# KiCad board BigBoy.kicad_pcb (continued)
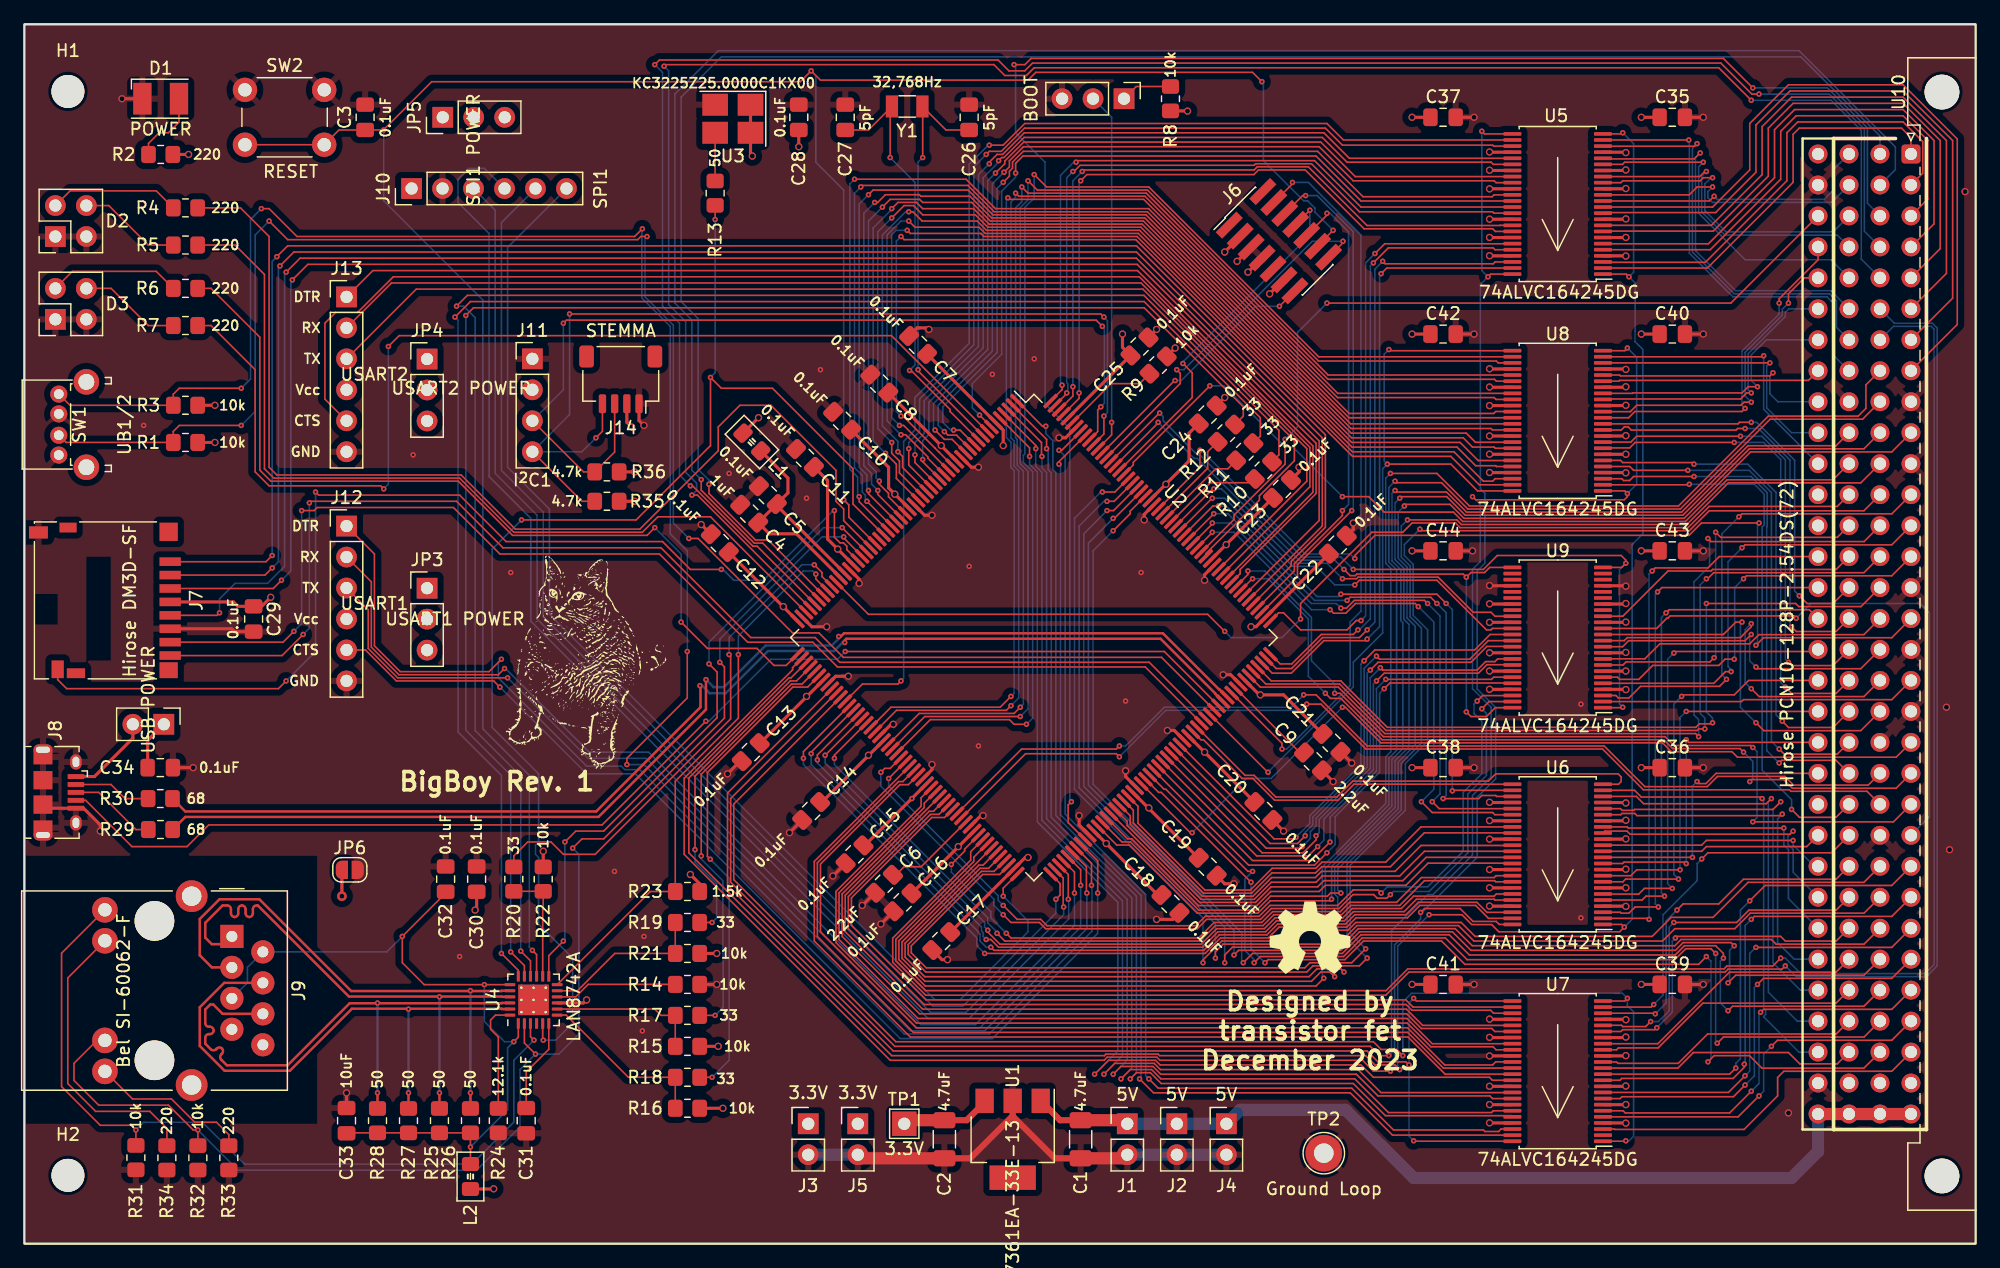
[diagram p0: board, top side]
## Routing (per net, layer and track width the routed paths; a pad name or vN(x,y) marks a point on that pad's centre or on a via; arc(x,y) is an arc through that point) (continued)
VA24: length 27.9
  Top w0.127: U10.d4 147.08,80.69 143.89,77.5 v2(143.89,77.14) ; U8.13 131.55,67.74 132.06,68.25 140.84,68.25 v2(141.1,68.5)
  Bottom w0.127: v2(143.89,77.14) 143.89,76.25 140.84,73.2 140.84,68.76 v2(141.1,68.5)
VA25: length 26
  Top w0.127: v2(141.61,69.01) 141.01,69.01 140.76,68.76 132.21,68.76 131.69,68.24 U8.14 ; U10.d5 145.96,79.21 144.65,77.9 v2(144.65,77.14)
  Bottom w0.127: v2(141.61,69.01) 141.1,69.52 141.1,73.1 144.14,76.15 144.14,76.63 v2(144.65,77.14)
VA26: length 23.2
  Top w0.127: U8.16 129.48,69.28 140.73,69.28 141.22,69.77 v2(141.61,69.77)
  Bottom w0.127: U10.d6 144.69,76.67 144.4,76.38 144.4,76.04 141.35,72.99 141.35,70.03 v2(141.61,69.77)
VA27: length 21.7
  Top w0.127: U8.17 131.86,69.74 131.9,69.77 140.84,69.77 141.35,70.28 v2(142.11,70.28)
  Bottom w0.127: v2(142.11,70.28) 141.61,70.79 141.61,72.89 142.85,74.13 U10.d7
VA28: length 18
  Top w0.127: U10.d8 146.29,70.8 130.82,70.8 130.76,70.74 U8.19
VA29: length 20.1
  Top w0.127: v2(143.38,71.43) 143.13,71.17 130.88,71.17 130.81,71.24 U8.20
  Bottom w0.127: v2(143.38,71.43) 143.13,71.17 143.13,69.7 143.78,69.05 U10.d9
VA30: length 22.5
  Top w0.127: v2(143.13,72.24) U8.22
  Bottom w0.127: U10.d10 144.9,66.51 142.88,68.53 142.88,71.98 v2(143.13,72.24)
VA31: length 23.9
  Top w0.127: U8.23 142.54,72.74 v2(142.62,72.82)
  Bottom w0.127: U10.d11 142.62,68.43 v2(142.62,72.82)
VAM0: length 24.1
  Top w0.127: U9.9 129.45,47.97 132.88,47.97 134.11,49.2 141.47,49.2 142.23,49.95 150.84,49.95 U10.b16
VAM1: length 26.4
  Top w0.127: v2(141.99,47.3) 142.13,47.16 150.59,47.16 U10.b17 ; v2(141.61,49.96) 141.09,49.45 131.55,49.45 131.06,48.96 U9.11
  Bottom w0.127: v2(141.61,49.96) 141.48,49.84 141.48,47.8 v2(141.99,47.3)
VAM2: length 30
  Top w0.127: U10.b18 150.84,44.87 142.25,44.87 v2(141.61,45.52) ; U9.12 131.19,49.46 131.44,49.7 140.71,49.7 141.61,50.6 v2(141.61,50.85)
  Bottom w0.127: v2(141.61,45.52) 141.1,46.03 141.1,50.34 v2(141.61,50.85)
VAM3: length 31.8
  Top w0.127: v2(140.84,50.98) 140.33,50.98 139.31,49.96 U9.13 ; U10.b19 150.59,42.08 142.63,42.08 v2(141.99,42.72)
  Bottom w0.127: v2(140.84,50.98) 140.72,50.85 140.72,43.99 v2(141.99,42.72)
VAM4: length 47
  Top w0.127: U9.14 133.85,50.46 134.71,51.32 134.79,51.32 134.96,51.49 145.1,51.49 v2(145.29,51.3)
  Bottom w0.127: U10.a23 156.21,35 156.21,51.74 155.45,52.5 146.49,52.5 v2(145.29,51.3)
VAM5: length 22.2
  Top w0.127: U10.c14 148.57,55.3 138.43,55.3 138.3,55.17 134.78,55.17 131.07,51.46 130.73,51.46 130.73,51.46 U9.16
VCP_RX: length 21.3
  Top w0.127: U2.196 94.32,70.79 v2(94.36,70.79) ; v2(102.92,76.88) J6.13
  Bottom w0.127: v2(94.36,70.79) 94.87,70.79 100.96,76.88 v2(102.92,76.88)
VCP_TX: length 29.6
  Top w0.127: U2.195 94.78,70.54 94.78,71.39 v2(94.49,71.68) ; v2(108.12,82.21) 108.12,82.08 J6.14
  Bottom w0.127: v2(94.49,71.68) 95.08,71.68 105.61,82.21 v2(108.12,82.21)
VD0: length 34
  Top w0.127: U5.2 138.01,80.02 145.03,87.05 145.03,90.98 145.54,91.49 153.92,91.49 154.7,90.72 U10.a1
VD1: length 37.9
  Top w0.127: U10.a2 155.67,87.8 155.67,90.38 154.05,92 145.42,92 144.53,91.11 144.53,87.17 137.84,80.48 129.48,80.48 U5.3
VD2: length 41.1
  Top w0.127: U5.5 138.24,81.52 144.02,87.3 144.02,91.24 145.29,92.51 154.05,92.51 156.08,90.48 156.08,85.67 U10.a3
VD3: length 44.6
  Top w0.127: U10.a4 156.59,83.64 156.59,90.48 154.05,93.02 145.16,93.02 143.51,91.36 143.51,87.43 138.09,82.01 129.45,82.01 U5.6
VD4: length 47.8
  Top w0.127: U5.8 129.47,83.04 138.49,83.04 143,87.55 143,91.49 145.03,93.52 154.05,93.52 157.1,90.48 157.1,81.61 U10.a5
VD5: length 51.3
  Top w0.127: U5.9 138.33,83.52 142.49,87.68 142.49,91.62 144.91,94.03 154.05,94.03 157.61,90.48 157.61,79.58 U10.a6
VD6: length 54.5
  Top w0.127: U10.a7 158.12,77.55 158.12,90.48 154.05,94.54 144.78,94.54 141.99,91.75 141.99,87.87 138.68,84.57 129.49,84.57 U5.11
VD7: length 57.9
  Top w0.127: U10.a8 158.5,75.39 158.5,90.6 154.05,95.05 144.65,95.05 141.48,91.87 141.48,88.06 138.43,85.02 U5.12
VD8: length 23
  Top w0.127: U5.13 138.17,85.52 v2(138.56,85.9)
  Bottom w0.127: v2(138.56,85.9) 138.81,85.65 147.57,85.65 148.34,86.41 148.34,88.09 U10.c1
VD9: length 22.6
  Top w0.127: v2(138.43,86.67) 137.16,86.67 136.51,86.02 U5.14
  Bottom w0.127: v2(138.43,86.67) 138.05,86.28 138.05,85.78 138.43,85.4 148.19,85.4 U10.c2
VD10: length 25.3
  Top w0.127: v2(138.43,87.43) 137.67,87.43 137.41,87.17 131.06,87.17 130.91,87.02 U5.16
  Bottom w0.127: U10.c3 148.31,82.98 139.53,82.98 137.8,84.72 137.8,86.92 138.3,87.43 v2(138.43,87.43)
VD11: length 25.3
  Top w0.127: 137.8,87.94 137.38,87.52 U5.17
  Bottom w0.127: v2(137.92,87.94) 137.54,87.55 137.54,84.61 139.44,82.72 148.65,82.72 U10.c4
VD12: length 27.2
  Top w0.127: v2(137.67,88.7) 131.22,88.7 131.04,88.52 U5.19
  Bottom w0.127: U10.c5 148.13,80.7 141.1,80.7 137.29,84.51 137.29,88.32 v2(137.67,88.7)
VD13: length 30.9
  Top w0.127: v2(137.41,89.46) 136.92,88.97 129.49,88.97 U5.20
  Bottom w0.127: U10.c6 148.13,78.16 140.31,78.16 137.03,81.44 137.03,89.08 v2(137.41,89.46)
VD14: length 34
  Top w0.127: v2(137.16,90.22) 136.95,90.01 129.45,90.01 U5.22
  Bottom w0.127: U10.c7 148.59,75.16 148.59,77.34 148.03,77.9 140.21,77.9 136.78,81.33 136.78,89.84 v2(137.16,90.22)
VD15: length 35.9
  Top w0.127: v2(136.48,90.52) U5.23
  Bottom w0.127: v2(136.48,90.52) 136.52,90.48 136.52,81.23 140.1,77.65 147.83,77.65 148.34,77.14 148.34,72.87 U10.c8
VD16: length 46.6
  Top w0.127: v2(133.22,26.59) 133.14,26.68 U6.2 ; v2(133.48,55.17) 133.73,55.42 138.05,55.42 138.98,56.35 U10.d14
  Bottom w0.127: v2(133.22,26.59) 133.22,54.92 v2(133.48,55.17)
VD17: length 44.1
  Top w0.127: v2(133.99,27.61) 132.08,27.61 131.57,27.1 130.94,27.1 130.86,27.18 U6.3 ; v2(133.92,53.45) 134.28,53.81 U10.d15
  Bottom w0.127: v2(133.99,27.61) 133.73,27.86 133.73,53.26 v2(133.92,53.45)
VD18: length 41.6
  Top w0.127: U6.5 132.65,28.18 132.97,28.5 v2(134.49,28.5) ; v2(134.62,51.74) 134.87,51.99 146.36,51.99 U10.d16
  Bottom w0.127: v2(134.49,28.5) 134.24,28.75 134.24,51.36 v2(134.62,51.74)
VD19: length 37.5
  Top w0.127: v2(135.25,48.44) 135.38,48.57 146.92,48.57 U10.d17 ; U6.6 129.45,28.67 132.38,28.67 132.84,29.13 v2(135.13,29.13)
  Bottom w0.127: v2(135.25,48.44) 134.75,47.93 134.75,29.52 v2(135.13,29.13)
VD20: length 33.4
  Top w0.127: U10.d18 141.39,46.19 140.21,45.01 136.02,45.01 v2(135.89,44.88) ; U6.8 131.08,29.68 131.3,29.9 v2(135.64,29.9)
  Bottom w0.127: v2(135.89,44.88) 135.25,44.25 135.25,30.28 v2(135.64,29.9)
VD21: length 30.5
  Top w0.127: U6.9 131.73,30.18 132.21,30.66 v2(135.76,30.66) ; v2(136.27,43.65) U10.d19
  Bottom w0.127: v2(136.27,43.65) 135.76,43.14 v2(135.76,30.66)
VD22: length 28
  Top w0.127: U6.11 131.06,31.18 131.17,31.29 136.14,31.29 v2(136.27,31.17) ; U10.d20 136.49,41.11 v2(136.27,41.33)
  Bottom w0.127: v2(136.27,41.33) v2(136.27,31.17)
VD23: length 24
  Top w0.127: U10.d21 138.72,38.57 137.89,37.73 137.32,37.73 v2(137.16,37.9) ; v2(136.78,31.68) U6.12
  Bottom w0.127: v2(136.78,31.68) 136.78,37.52 v2(137.16,37.9)
VD24: length 18.2
  Top w0.127: U10.d23 146.15,32.56 137.92,32.56 137.54,32.18 U6.13
VD25: length 18.9
  Top w0.127: v2(145.03,33.07) 137.92,33.07 137.53,32.68 U6.14
  Bottom w0.127: v2(145.03,33.07) 145.03,32.69 146.77,30.95 U10.d24
VD26: length 22.5
  Top w0.127: U6.16 129.6,33.83 131.41,33.83 131.67,33.58 144.78,33.58 v2(145.03,33.83)
  Bottom w0.127: v2(145.03,33.83) 144.62,33.42 144.62,32.75 145.03,32.33 145.03,30.46 U10.d25
VD27: length 24.2
  Top w0.127: U6.17 131.43,34.18 131.52,34.09 v2(144.27,34.09)
  Bottom w0.127: U10.d26 144.65,28.3 144.65,32.33 144.27,32.71 v2(144.27,34.09)
VD28: length 29.4
  Top w0.127: v2(144.14,35.23) 144.02,35.1 132.24,35.1 132.06,35.28 131,35.28 130.9,35.18 129.44,35.18 U6.19
  Bottom w0.127: v2(144.14,35.23) 143.76,34.85 143.76,24.69 145.12,23.33 U10.d27
VD29: length 33
  Top w0.127: v2(144.02,36.25) 143.38,35.61 132.03,35.61 131.95,35.53 131.02,35.53 130.87,35.68 U6.20
  Bottom w0.127: U10.d28 145.63,20.79 143.38,23.04 143.38,35.61 v2(144.02,36.25)
VD30: length 35.3
  Top w0.127: U6.22 132.18,36.68 132.77,36.08 142.84,36.08 v2(143.26,36.5)
  Bottom w0.127: v2(143.26,36.5) 143,36.25 143,20.62 145.38,18.25 U10.d29
VD31: length 37.1
  Top w0.127: U6.23 132.04,37.18 132.59,36.63 142.37,36.63 v2(142.49,36.5)
  Bottom w0.127: U10.d30 145.5,15.71 142.62,18.59 142.62,18.64 142.78,18.8 142.78,19.15 142.62,19.31 142.62,36.37 v2(142.49,36.5)
~{AH_OE}: length 29.1
  Top w0.127: U6.25 109.02,37.68 107.72,36.37 102.51,36.37 100.73,38.15 99.85,38.15 96.68,41.33 96.47,41.33 U2.138
~{AL_OE}: length 180.7
  Top w0.127: v2(114.49,27.17) 114.81,27.48 117.73,27.48 118.79,26.42 120.69,26.42 120.94,26.18 U6.48 ; v2(112.01,14.15) 110.62,14.15 109.73,15.04 93.11,15.04 92.86,15.29 88.79,15.29 88.54,15.04 70.99,15.04 54.1,31.93 54.1,38.17 62.99,47.06 62.99,47.24 U2.54 ; v2(119.51,91.24) 119.73,91.02 U5.25 ; v2(120.02,79.3) 120.23,79.52 U5.48
  Bottom w0.127: v2(119.51,91.24) 119.51,79.81 v2(120.02,79.3) 119.39,78.67 119.39,61.9 119.76,61.53 119.76,55.8 119.13,55.17 119.13,45.49 120.65,43.97 120.65,38.13 119.13,36.61 119.13,31.67 114.62,27.17 v2(114.49,27.17) 114.49,26.64 112.36,24.5 112.36,14.87 112.01,14.53 v2(112.01,14.15)
~{CTRL_DIR}: length 66.1
  Top w0.127: U9.1 131.03,43.96 v2(131.06,43.99) ; v2(93.09,68.12) 93.07,68.12 U2.194 ; U9.24 130.97,55.46 v2(131.32,55.8) 131.32,56.06 130.94,56.44 120.78,56.44 119.63,55.3 v2(108.97,55.3)
  Bottom w0.127: v2(108.97,55.3) 107.95,56.31 104.77,56.31 96.43,64.66 96.22,64.66 93.38,67.5 93.38,67.83 v2(93.09,68.12) ; v2(131.06,43.99) 130.8,44.26 130.8,55.29 v2(131.32,55.8)
~{CTRL_OE}: length 55.1
  Top w0.127: U9.25 120.16,55.46 119.74,55.04 118.62,55.04 v2(118.24,54.66) 117.98,54.92 109.26,54.92 109.14,54.79 108.71,54.79 v2(108.2,55.3) ; v2(118.24,43.61) 118.62,43.23 119.89,43.23 120.61,43.96 U9.48 ; v2(92.96,67.36) 92.96,67.31 U2.193
  Bottom w0.127: v2(118.24,43.61) v2(118.24,54.66) ; v2(92.96,67.36) 95.92,64.4 96.18,64.4 104.52,56.06 107.44,56.06 v2(108.2,55.3)
~{DH_OE}: length 67.1
  Top w0.127: U8.25 111.98,73.24 v2(111.89,73.33) ; U8.48 119.16,61.74 116.97,63.93 v2(111.76,63.93) ; 101.96,38.66 101.98,38.64 v2(101.98,38.66) 101.96,38.66 ; 101.96,38.66 U2.142
  Bottom w0.127: v2(101.98,38.66) 101.98,38.68 108.97,45.67 108.97,47.68 111.38,50.09 111.38,63.55 v2(111.76,63.93) 111.51,64.19 111.51,72.95 v2(111.89,73.33)
~{DL_OE}: length 110
  Top w0.127: v2(113.54,14.66) 113.28,14.91 111,14.91 110.11,15.8 71.25,15.8 57.66,29.39 57.66,36.96 U2.61 ; v2(113.92,20.12) 114.14,19.9 U7.25 ; U7.48 113.95,8.4 v2(113.92,8.43)
  Bottom w0.127: v2(113.92,20.12) 113.54,19.74 v2(113.54,14.66) 113.54,8.81 v2(113.92,8.43)
~{LAS}: length 74.7
  Top w0.127: U2.77 70.99,38.98 70.55,38.98 v2(70.23,38.66) ; v2(112.01,28.63) 111.72,28.34 110.93,28.34 110.64,28.63 108.94,28.63 107.8,27.48 102.25,27.48 101.36,26.59 96.94,26.59 96.17,25.82 83.75,25.82 83.23,26.34 80.9,26.34 v2(80.26,26.98) ; U9.47 120.1,44.46 v2(119.51,43.87)
  Bottom w0.127: v2(119.51,43.87) 119.89,43.48 119.89,38.41 118.36,36.88 118.36,32.06 115.19,28.88 112.27,28.88 v2(112.01,28.63) ; v2(70.23,38.66) 70.23,37.52 79.5,28.25 79.5,27.74 v2(80.26,26.98)
~{LDS0}: length 44
  Top w0.127: U9.44 121.99,45.98 111.97,45.98 v2(111.51,45.52) ; 92.7,38.8 92.71,38.79 ; v2(106.81,32.06) 105.79,31.04 100.39,31.04 U2.129
  Bottom w0.127: v2(111.51,45.52) 111.13,45.14 111.13,38.66 107.48,35.02 107.48,32.73 v2(106.81,32.06)
~{LDS1}: length 73.8
  Top w0.127: U9.46 122.01,44.95 119.57,44.95 v2(119.13,44.5) ; v2(80.26,27.74) 81.41,26.59 83.34,26.59 83.86,26.08 96.06,26.08 96.84,26.85 101.25,26.85 102.14,27.74 107.7,27.74 108.97,29.01 111,29.01 v2(111.25,28.75) ; U2.78 v2(70.87,38.15)
  Bottom w0.127: v2(80.26,27.74) 79.85,28.15 79.85,28.54 70.87,37.51 v2(70.87,38.15) ; v2(119.13,44.5) 118.87,44.25 118.87,43.48 119.51,42.85 119.51,38.53 117.98,37.01 117.98,32.18 115.06,29.26 111.76,29.26 v2(111.25,28.75)
~{LLWORD}: length 43.5
  Top w0.127: U9.41 121.99,47.48 119.93,47.48 119.23,46.79 111.51,46.79 v2(110.87,46.15) ; U2.131 101.04,31.8 105.28,31.8 v2(106.05,32.56)
  Bottom w0.127: v2(106.05,32.56) 106.55,33.07 106.55,34.81 110.62,38.87 110.62,45.9 v2(110.87,46.15)
~{LWRITE}: length 43.6
  Top w0.127: U9.43 120.48,46.46 120.3,46.28 v2(111.63,46.28) ; U2.130 92.98,39.15 100.71,31.42 105.54,31.42 v2(107.06,32.94)
  Bottom w0.127: v2(111.63,46.28) 110.87,45.52 110.87,38.77 107.06,34.96 v2(107.06,32.94)
~{RESET}: length 219
  Top w0.127: J6.12 106.04,81.84 v2(107.32,83.11) ; v2(101.47,95.3) 100.71,96.06 82.93,96.06 82.3,95.43 65.28,95.43 v2(64.52,96.19) 63.63,95.3 33.4,95.3 29.46,91.36 v2(29.46,91.34) C3.1 25.8,91.34 SW2.2 SW2.2 ; U2.34 67.6,59.59 67.6,60.59 v2(67.18,61.01) ; v2(41.66,24.05) 42,23.71 U4.15
  Bottom w0.127: v2(41.66,24.05) 41.4,24.31 41.4,38.41 37.59,42.22 37.59,77.39 29.46,85.52 v2(29.46,91.34) ; v2(64.52,96.19) 64.9,95.81 64.9,88.7 67.18,86.41 v2(67.18,61.01) ; v2(107.32,83.11) 105.83,84.6 105.83,84.93 105.24,85.52 104.9,85.52 101.6,88.82 101.6,95.17 v2(101.47,95.3)
~{SPI_CS}: length 99.1
  Top w0.127: U2.104 80.26,29.16 v2(80.26,28.5)
  Bottom w0.127: J10.6 39.62,81.71 39.62,63.68 43.05,60.25 43.05,51.61 74.68,19.99 76.71,19.99 82.3,25.58 82.3,26.47 v2(80.26,28.5)
~{VACFAIL}: length 146.4
  Top w0.127: v2(81.15,96.7) 82.04,96.7 82.55,97.21 139.32,97.21 v2(141.73,94.79) ; U2.113 85.59,34.53 85.59,35.98 v2(85.85,36.25)
  Bottom w0.127: U10.b3 151.13,85.32 151.13,91.51 147.85,94.79 v2(141.73,94.79) ; v2(81.15,96.7) 81.28,96.57 81.28,91.11 83.69,88.7 83.69,68.89 85.73,66.85 85.73,36.37 v2(85.85,36.25)
~{VAS}: length 26
  Top w0.127: U9.2 140.8,44.46 140.96,44.62 153.13,44.62 U10.a18
~{VBBSY}: length 150.1
  Top w0.127: U2.46 60.99,57.71 59.95,57.71 56.13,61.52 v2(56.13,62.28)
  Bottom w0.127: U10.b1 152.16,90.84 145.67,97.33 57.15,97.33 53.85,94.03 53.85,77.27 55.25,75.87 55.25,63.51 56.13,62.62 v2(56.13,62.28)
~{VBCLR}: length 155.2
  Top w0.127: U2.47 60.54,57.46 59.84,57.46 55.5,61.8 v2(55.5,62.66)
  Bottom w0.127: U10.b2 153.42,88.09 153.42,89.95 145.52,97.84 56.9,97.84 53.34,94.29 53.34,77.14 54.74,75.74 54.74,63.42 v2(55.5,62.66)
~{VBERR}: length 69.2
  Top w0.127: v2(97.21,70.36) 90.93,64.08 90.93,63.87 U2.191 ; v2(108.08,61.27) 110.24,61.27 111.51,60 117.18,60 117.94,59.23 136.21,59.23 139.62,62.65 148.3,62.65 U10.c11
  Bottom w0.127: v2(97.21,70.36) 98.35,70.36 103.38,65.33 104.01,65.33 v2(108.08,61.27)
~{VBG0IN}: length 162.4
  Top w0.127: v2(51.69,96.7) 52.07,97.08 79.84,97.08 80.73,96.19 82.03,96.19 82.67,96.83 139.11,96.83 141.65,94.29 v2(142.24,94.29) ; v2(54.61,62.15) 54.79,62.15 59.74,57.2 60.09,57.2 U2.48
  Bottom w0.127: v2(51.69,96.7) 52.32,96.06 52.32,76.89 53.72,75.49 53.72,63.04 v2(54.61,62.15) ; v2(142.24,94.29) 148,94.29 150.88,91.41 150.88,83.03 U10.b4
~{VBG0OUT}: length 163.7
  Top w0.127: U2.49 55.19,61.39 v2(54.74,61.39) ; v2(141.61,93.78) 138.94,96.44 82.8,96.44 82.17,95.81 80.39,95.81 79.5,96.7 52.58,96.7 v2(52.45,96.57)
  Bottom w0.127: U10.b5 150.62,80.75 150.62,91.3 148.15,93.78 v2(141.61,93.78) ; v2(52.45,96.57) 52.83,96.19 52.83,77.01 54.23,75.62 54.23,63.26 55.12,62.37 55.12,61.77 v2(54.74,61.39)
~{VBG1IN}: length 159.3
  Top w0.127: U2.96 77.6,32.15 77.6,31.45 71.2,25.06 71.2,23.08 73.91,20.37 111.63,20.37 113.54,22.28 139.47,22.28 139.71,22.52 144.13,22.52 v2(144.4,22.78)
  Bottom w0.127: v2(144.4,22.78) 145.29,21.9 155.96,21.9 156.85,22.78 156.85,75.11 156.46,75.49 153.34,75.49 U10.b6
~{VBG1OUT}: length 157.9
  Top w0.127: U2.97 77.85,31.7 77.85,31.35 71.46,24.95 71.46,23.19 73.89,20.75 111.65,20.75 113.43,22.53 139.36,22.53 139.6,22.77 143.37,22.77 v2(144.02,23.42)
  Bottom w0.127: v2(144.02,23.42) 144.4,23.42 145.67,22.15 155.85,22.15 156.59,22.89 156.59,75 156.36,75.24 153.26,75.24 U10.b7
~{VBG2IN}: length 139.4
  Top w0.127: U2.98 71.71,24.85 71.71,23.29 73.87,21.13 105.92,21.13 v2(106.55,21.77) ; U10.b8 151,70.43 151,68.5 150.37,67.87 143,67.87 135.64,60.5 118.49,60.5 115.82,63.17 v2(112.01,63.17)
  Bottom w0.127: v2(106.55,21.77) 106.43,21.9 106.43,30.89 111.63,36.1 111.63,39.93 112.05,40.34 112.05,55.37 111.63,55.79 111.63,62.79 v2(112.01,63.17)
~{VBG2OUT}: length 137
  Top w0.127: U2.99 78.61,31.04 78.26,31.04 71.96,24.74 71.96,23.4 73.84,21.51 105.54,21.51 106.3,22.28 107.06,22.28 v2(107.44,21.9) ; U10.b9 150.73,67.62 143.15,67.62 135.78,60.25 118.36,60.25 116.2,62.41 112.52,62.41 v2(112.39,62.54)
  Bottom w0.127: v2(107.44,21.9) 106.68,22.66 106.68,30.79 111.89,35.99 111.89,39.82 112.52,40.46 112.52,55.26 111.89,55.89 111.89,62.03 v2(112.39,62.54)
~{VBG3IN}: length 134.1
  Top w0.127: v2(112.78,61.14) 112.9,61.27 116.63,61.27 118.15,59.74 136,59.74 141.44,65.19 150.84,65.19 U10.b10 ; v2(108.2,22.28) 107.95,22.53 105.98,22.53 105.35,21.9 73.82,21.9 72.22,23.5 72.22,24.64 78.37,30.79 79.06,30.79 U2.100
  Bottom w0.127: v2(112.78,61.14) 112.39,60.76 112.39,56.1 113.12,55.38 113.12,51.21 113.54,50.79 113.54,40.75 112.39,39.61 112.39,35.78 107.44,30.83 107.44,28.67 107.7,28.42 107.7,22.78 v2(108.2,22.28)
~{VBG3OUT}: length 131.3
  Top w0.127: v2(113.41,59.36) 117.46,59.36 117.84,58.98 136.31,58.98 139.73,62.4 150.59,62.4 U10.b11 ; v2(110.11,23.42) 109.47,22.78 105.66,22.78 105.16,22.28 73.91,22.28 72.47,23.72 72.47,24.53 78.47,30.53 79.52,30.53 U2.101
  Bottom w0.127: v2(113.41,59.36) 112.9,58.85 112.9,56.31 113.63,55.59 113.63,51.42 114.55,50.49 114.55,41.05 112.9,39.4 112.9,35.57 108.46,31.13 108.46,25.07 v2(110.11,23.42)
~{VBR0}: length 127.6
  Top w0.127: U2.102 79.97,30.28 78.58,30.28 72.73,24.43 72.73,23.85 73.95,22.62 104.99,22.62 105.41,23.04 108.84,23.04 v2(109.98,24.18) ; U10.b12 150.84,60.11 138.16,60.11 136.52,58.47 114.55,58.47 v2(114.43,58.6)
  Bottom w0.127: v2(114.43,58.6) 113.16,57.33 113.16,56.44 113.88,55.71 113.88,51.52 115.06,50.34 115.06,41.2 113.24,39.37 113.24,35.54 108.71,31.02 108.71,25.45 v2(109.98,24.18)
~{VBR1}: length 70.7
  Top w0.127: v2(138.05,57.84) 138.3,57.58 150.85,57.58 U10.b13 ; U2.151 100.41,46.58 101.35,45.64 107.74,45.64 111.55,41.83 137.03,41.83 v2(137.29,41.58)
  Bottom w0.127: v2(138.05,57.84) 138.18,57.71 138.18,57.04 138.19,57.03 138.19,55.56 136.91,54.28 136.91,43.36 137.29,42.98 v2(137.29,41.58)
~{VBR2}: length 66.8
  Top w0.127: U10.b14 150.84,55.03 138.52,55.03 138.03,54.53 v2(137.92,54.53) ; U2.152 101.8,45.9 107.84,45.9 111.65,42.09 137.16,42.09 137.29,42.22 v2(137.8,42.22)
  Bottom w0.127: v2(137.8,42.22) 137.8,43.1 137.41,43.48 137.41,54.03 v2(137.92,54.53)
~{VBR3}: length 64.5
  Top w0.127: v2(137.92,52.5) 145.25,52.5 145.5,52.25 150.6,52.25 U10.b15 ; v2(138.43,42.72) 138.34,42.63 137.35,42.63 137.05,42.34 111.76,42.34 107.95,46.15 102.25,46.15 U2.153
  Bottom w0.127: v2(137.92,52.5) 137.92,43.61 138.43,43.1 v2(138.43,42.72)
~{VDS0}: length 36.3
  Top w0.127: v2(140.84,57.07) 141.08,57.32 153.13,57.32 U10.a13 ; v2(139.95,46.91) 139.49,46.91 138.53,45.96 U9.5
  Bottom w0.127: v2(140.84,57.07) 139.7,55.93 139.7,47.34 139.95,47.09 v2(139.95,46.91)
~{VDS1}: length 39.8
  Top w0.127: U9.3 130.5,44.96 130.71,44.76 131.57,44.76 132.52,45.7 139,45.7 v2(139.57,46.28) ; v2(140.59,59.61) 140.83,59.86 153.13,59.86 U10.a12
  Bottom w0.127: v2(139.57,46.28) 139.19,46.66 139.19,58.22 v2(140.59,59.61)
~{VDTACK}: length 80.9
  Top w0.127: U10.a16 153.13,49.7 142.61,49.7 v2(141.99,49.07) ; v2(109.09,56.19) 109.09,56.44 110.74,58.09 136.5,58.09 137.52,59.11 v2(142.24,59.11) ; v2(96.39,65.08) 96.39,63.67 U2.183
  Bottom w0.127: v2(142.24,59.11) 142.11,58.98 142.11,49.2 v2(141.99,49.07) ; v2(109.09,56.19) 108.71,56.57 105.03,56.57 96.52,65.08 v2(96.39,65.08)
~{VIACKIN}: length 67.2
  Top w0.127: v2(106.68,45.14) 107.1,44.72 107.95,44.72 111.34,41.33 134.43,41.33 135.16,40.6 140.68,40.6 v2(140.97,40.31) ; v2(100.71,54.53) 100.69,54.53 U2.164 ; v2(141.48,37.9) 141.64,38.06 144.26,38.06 144.97,37.35 153.48,37.35 U10.a21
  Bottom w0.127: v2(100.71,54.53) 101.98,54.53 105.28,51.23 105.28,46.53 v2(106.68,45.14) ; v2(140.97,40.31) 141.73,39.55 141.73,38.15 v2(141.48,37.9)
~{VIACKOUT}: length 71.6
  Top w0.127: v2(100.33,55.17) 100.33,54.88 U2.165 ; v2(107.44,45.14) 107.89,45.14 111.44,41.58 134.54,41.58 135.26,40.86 141.57,40.86 v2(141.73,40.69) ; U10.a22 153.26,34.59 v2(141.73,34.59)
  Bottom w0.127: v2(107.44,45.14) 107.44,45.9 105.54,47.8 105.54,51.36 101.73,55.17 v2(100.33,55.17) ; v2(141.73,34.59) 142.08,34.94 142.08,40.35 v2(141.73,40.69)
~{VIACK}: length 71.3
  Top w0.127: v2(95.76,33.71) 95.6,33.71 U2.126 ; v2(108.08,43.99) 108.31,43.99 111.23,41.07 134.33,41.07 135.05,40.35 140.02,40.35 140.48,39.89 153.48,39.89 U10.a20
  Bottom w0.127: v2(108.08,43.99) 102.23,38.15 100.2,38.15 v2(95.76,33.71)
~{VIRQ1}: length 81.5
  Top w0.127: v2(138.05,14.91) 138.56,15.42 141.45,15.42 142.48,14.39 150.84,14.39 U10.b30 152.16,15.79 152.15,15.8 ; v2(100.58,29.64) 93.22,37.01 93.01,37.01 U2.127 ; v2(137.92,23.55) 137.29,22.91 118.11,22.91 116.2,24.82 109.8,24.82 108.28,23.29 101.98,23.29 v2(101.73,23.04)
  Bottom w0.127: v2(101.73,23.04) 100.58,24.18 v2(100.58,29.64) ; v2(137.92,23.55) 138.3,23.17 138.3,15.16 v2(138.05,14.91)
~{VIRQ2}: length 81.3
  Top w0.127: v2(100.84,23.04) 101.35,23.55 108.17,23.55 109.7,25.07 116.52,25.07 118.3,23.29 135.34,23.29 136.23,24.18 138.3,24.18 v2(138.68,23.8) ; U2.128 93.46,37.26 93.6,37.26 100.33,30.53 v2(100.71,30.53) ; U10.b29 150.85,16.94 139.32,16.94 v2(138.81,16.43)
  Bottom w0.127: v2(100.71,30.53) 100.08,29.9 100.08,24.05 100.84,23.29 v2(100.84,23.04) ; v2(138.68,23.8) 138.68,16.56 v2(138.81,16.43)
~{VIRQ3}: length 105
  Top w0.127: v2(139.32,23.42) 139.32,23.8 138.68,24.44 136.12,24.44 135.36,23.67 118.49,23.67 116.84,25.32 109.59,25.32 108.07,23.8 100.71,23.8 v2(99.95,23.04) ; v2(139.7,19.1) 140.07,19.47 150.84,19.47 U10.b28 ; U2.186 90.68,60.08 90.68,59.87 89.28,58.47 v2(89.28,58.47)
  Bottom w0.127: v2(89.28,58.47) 87.63,56.82 87.63,37.67 99.82,25.48 99.82,23.17 v2(99.95,23.04) ; v2(139.7,19.1) 139.06,19.74 139.06,23.17 v2(139.32,23.42)
~{VIRQ4}: length 104.1
  Top w0.127: U2.187 89.38,59.49 v2(89.28,59.49) ; U10.b27 150.84,22.01 140.32,22.01 v2(139.7,21.39) ; v2(140.21,24.44) 139.95,24.69 136.02,24.69 135.38,24.05 118.62,24.05 117.09,25.58 109.49,25.58 107.96,24.05 99.57,24.05 v2(99.19,23.67)
  Bottom w0.127: v2(139.7,21.39) 139.83,21.51 139.83,24.05 v2(140.21,24.44) ; v2(99.19,23.67) 99.19,25.66 87.25,37.6 87.25,57.46 v2(89.28,59.49)
~{VIRQ5}: length 102.6
  Top w0.127: v2(88.77,60.12) 89.31,60.12 U2.188 ; v2(98.42,23.04) 98.42,23.67 99.06,24.31 107.86,24.31 109.38,25.83 117.33,25.83 118.72,24.44 135.34,24.44 135.85,24.94 143.26,24.94 143.64,24.56 150.85,24.56 U10.b26
  Bottom w0.127: v2(88.77,60.12) 86.87,58.22 86.87,37.51 98.42,25.95 v2(98.42,23.04)
~{VIRQ6}: length 103.8
  Top w0.127: v2(97.66,23.42) 97.66,23.93 98.29,24.56 107.75,24.56 109.28,26.09 117.59,26.09 118.86,24.82 134.32,24.82 135.34,25.83 140.25,25.83 141.52,27.1 150.85,27.1 U10.b25 ; v2(88.77,60.88) 89.36,60.88 U2.189
  Bottom w0.127: v2(97.66,23.42) 97.66,26.21 86.49,37.39 86.49,58.85 88.52,60.88 v2(88.77,60.88)
~{VIRQ7}: length 106.4
  Top w0.127: U2.190 89.42,61.65 v2(88.39,61.65) ; U10.b24 150.84,29.63 141.34,29.63 138.47,26.76 135.04,26.76 133.48,25.2 118.96,25.2 117.82,26.34 109.17,26.34 108.54,25.71 103.5,25.71 102.61,24.82 98.19,24.82 96.65,23.27 v2(96.65,23.04)
  Bottom w0.127: v2(96.65,23.04) 96.65,26.72 86.11,37.26 86.11,59.49 88.27,61.65 v2(88.39,61.65)
~{VLWORD}: length 31.2
  Top w0.127: U10.c13 148.65,57.92 139.1,57.92 v2(138.68,58.34) ; U9.8 131.08,47.46 131.33,47.71 138.21,47.71 v2(138.56,48.06)
  Bottom w0.127: v2(138.68,58.34) 138.68,48.18 v2(138.56,48.06)
~{VRETRY}: length 67.9
  Top w0.127: U2.173 99.19,59.39 99.19,59.74 103.38,63.93 v2(103.38,65.96) ; v2(106.81,77.14) 139.93,77.14 U10.d3
  Bottom w0.127: v2(103.38,65.96) 104.39,66.98 104.39,74.73 v2(106.81,77.14)
~{VSERCLK}: length 83.9
  Top w0.127: U10.b21 151.19,37.6 145.07,37.6 144.36,38.32 138.83,38.32 137.99,37.48 132.88,37.48 129.54,40.82 110.11,40.82 105.92,45.01 v2(104.9,45.01) ; U2.90 81.77,40.56 89.54,40.56 v2(89.79,40.82)
  Bottom w0.127: v2(104.9,45.01) 103.89,43.99 93.47,43.99 90.3,40.82 v2(89.79,40.82)
~{VSERDAT}: length 82.8
  Top w0.127: U2.91 82.1,40.18 89.54,40.18 v2(89.79,39.93) ; v2(105.16,44.25) 106.32,44.25 110,40.56 129.41,40.56 132.75,37.23 144.73,37.23 144.86,37.1 151.09,37.1 U10.b22
  Bottom w0.127: v2(89.79,39.93) 93.6,43.74 104.65,43.74 v2(105.16,44.25)
~{VSYSCLK}: length 103.4
  Top w0.127: v2(107.95,28.75) 107.11,28.75 106.85,28.5 102.19,28.5 101.04,27.36 96.28,27.36 90.7,32.94 90,32.94 U2.117 ; U10.a10 153.13,64.94 141.55,64.94 136.1,59.49 118.05,59.49 116.91,60.63 113.28,60.63 v2(113.16,60.5)
  Bottom w0.127: v2(107.95,28.75) 107.7,29.01 107.7,30.72 112.65,35.68 112.65,39.5 114.05,40.9 114.05,50.64 113.37,51.31 113.37,55.48 112.65,56.21 112.65,60 v2(113.16,60.5)
~{VSYSFAIL}: length 99.7
  Top w0.127: v2(107.19,28.25) 107.06,28.12 102.16,28.12 101.15,27.1 96.18,27.1 90.59,32.69 89.57,32.69 88.06,34.2 U2.116 ; U10.c10 148.55,65.44 141.34,65.44 135.89,60 118.26,60 116.61,61.65 112.52,61.65 v2(112.39,61.77)
  Bottom w0.127: v2(107.19,28.25) 107.19,30.93 112.14,35.89 112.14,39.71 113.03,40.6 113.03,50.94 112.87,51.1 112.87,55.27 112.14,56 112.14,61.52 v2(112.39,61.77)
